# Altium PCB 400092.PcbDoc (part 2 of 3)
Units mil, origin at the board's own origin, x right, y up, seen from the top; angles counter-clockwise.
Board outline 4000 x 2500 mil, 4 copper layers (Top Layer, Mid-Layer 1, Mid-Layer 2, Bottom Layer), stack 62.293 mil thick; 191 components, 146 nets, 886 pads, 563 vias.
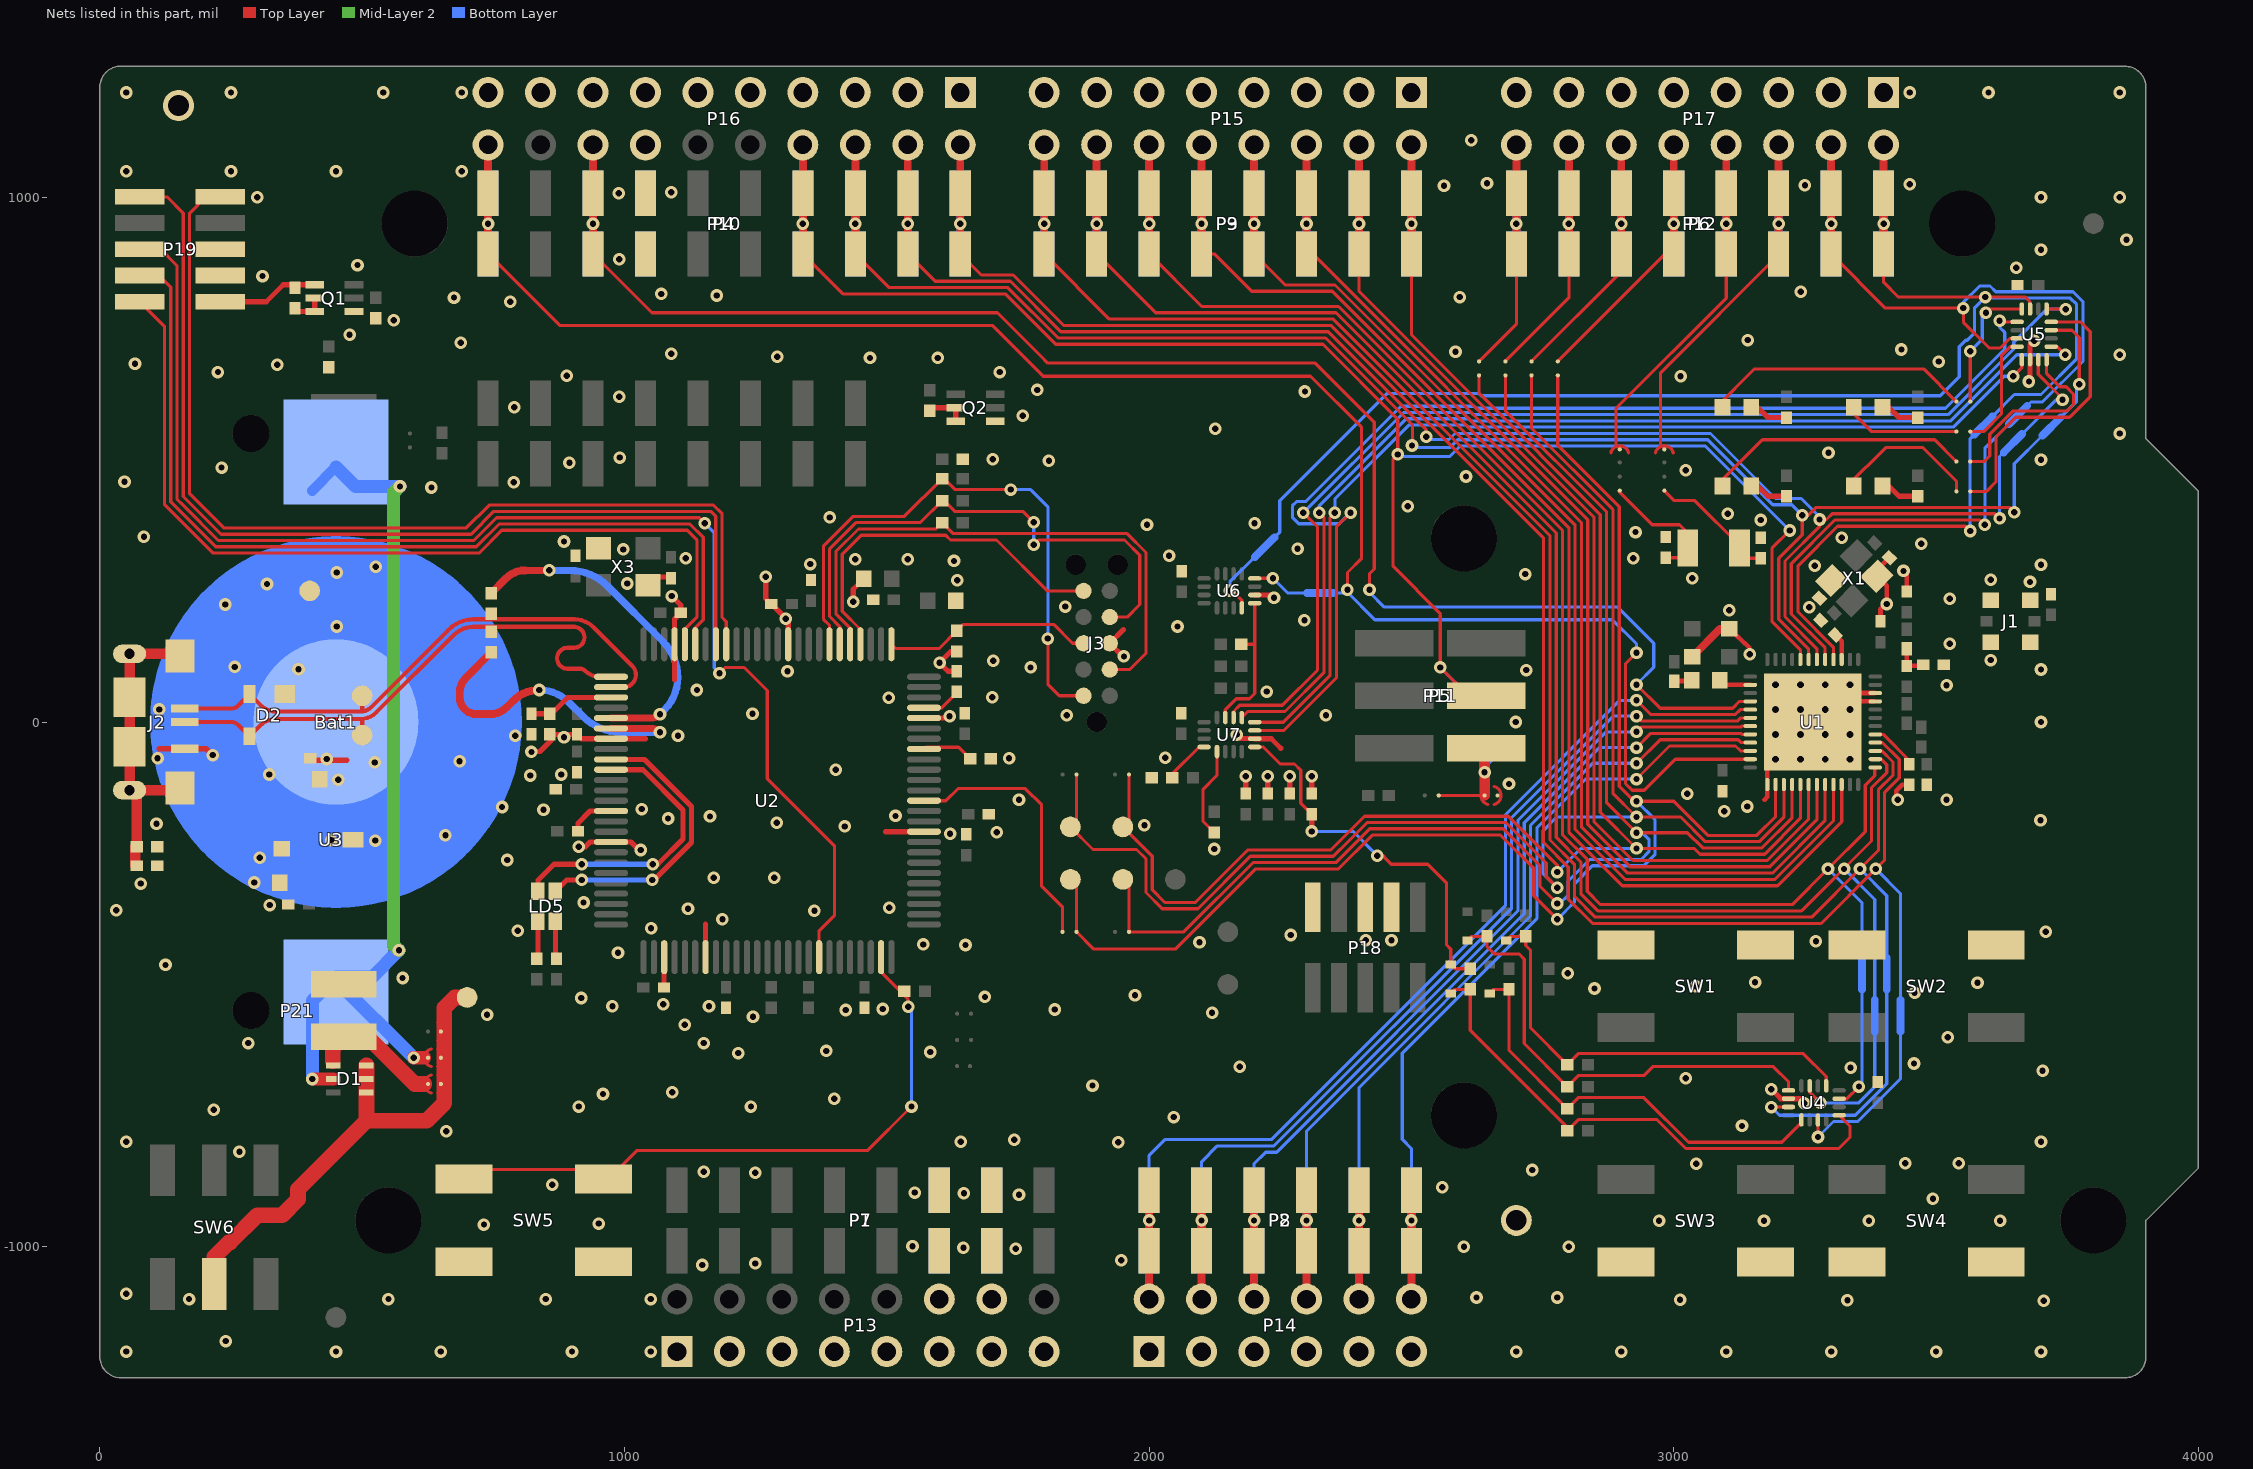
[diagram p4: the nets of this part, all layers, seen from the top]

## Via types
v1: diameter 24, hole 12, Top Layer to Bottom Layer, tented both sides, 525 vias
v2: diameter 24, hole 12, Top Layer to Bottom Layer, 22 vias
v3: diameter 25.98, hole 12.99, Top Layer to Bottom Layer, tented both sides, 16 vias

## Nets (pads, with @x,y where several pads share a name; then routed paths per layer and width w, separated by ;. In a path a pad name is that pad's centre, name@x,y a point inside that pad or via, vN(x,y) a via of type N, cw(c..) or ccw(c..) an arc to the next point about the centre after c; other vN are vias at no path point) (continued)
BUTTON4_EXT: C46.2 D6.3 R39.1 U7.5 | length 728.5
  Top Layer w6: U7.5@2201.23,-47.62 2217.62,-47.62 2250,-80 2277,-80 2289,-92 2289,-154.69 C46.2@2310,-175.69 ; v1(2435,-255) 2446,-255 2448,-257 2448,-257.7 2461.3,-271 2530.8,-271 2567,-307.2 2567,-424.97 2575,-432.97 D6.3@2575,-462.44 2582.87,-470.31 R39.1@2612,-470.31
  Top Layer w10: v1(2310,-208.51) C46.2@2310,-175.69
  Bottom Layer w6: v1(2310,-208.51) 2388.51,-208.51 v1(2435,-255)
CTS: SB22.1 U2.38 | length 505.2
  Top Layer w6: U2.38@1570.83,-150 1612.55,-150 1635.6,-126.95 1650,-126.95 1650.05,-127 1764.03,-127 1795,-157.97 1795,-313 1835,-353 SB22.1@1835,-400
DEC1: C8.1 U1.39 | length 53
  Top Layer w8: C8.1@3307.92,166.08 3320.12,153.88 U1.39@3320.12,118.11
DEC2: C10.1 U1.29 | length 93.4
  Top Layer w6: U1.29@3383.11,-23.62 3399.17,-23.62 3449,-73.45 C10.1@3449,-80.31
DFSD_N: R14.1 U2.80 | length 907.4
  Top Layer w13.78: 810,289 v1(856.61,289) ; U2.80@974.38,7.58 1048.61,7.58 ; 1050.33,7.58 ccw(c1050.33,32.02) v1@1067.61,14.74
  Top Layer w15: R14.1@746.01,245.62 774.82,274.43 ; 774.82,274.43 cw(c810,239.24) 810,289 ccw(c810,239.24) 774.82,274.43
  Bottom Layer w13.78: v1(856.61,289) 896.18,289 ; v1(1067.61,14.64) v1@1075.89,22.92 ; 896.18,289 cw(c896.18,189) 966.9,259.71 ; 896.18,289 cw(c896.18,189) 966.9,259.71 ; 966.89,259.71 1073.32,153.28 ; 1073.32,153.28 cw(c1005.04,85) 1101.61,85 ; 1073.32,153.28 cw(c1005.04,85) 1101.61,85 ; v1@1075.89,22.93 ccw(c1013.82,85) 1101.61,85 ; v1@1075.89,22.93 ccw(c1013.82,85) 1101.61,85
DFSD_P: R13.1 U2.81 | length 678.4
  Top Layer w13.78: U2.81@974.38,-12.21 1049.61,-12.21 ; 1050.33,-12.21 cw(c1050.33,-36.64) v1@1067.61,-19.36
  Top Layer w15: R13.1@746.01,132.71 697.81,84.51 ccw(c726.32,56) 686,56 686,47 ccw(c718,47) 718,15 743.64,15 ; v1(837.61,61) ccw(c837.61,-9.44) 787.8,40.37 775.71,28.29 ; 743.64,15 ccw(c743.64,60.36) 775.71,28.29 ; 743.64,15 ccw(c743.64,60.36) 775.71,28.29
  Bottom Layer w13.78: v1(837.61,61) cw(c837.61,-18.67) 893.94,37.67 921.68,9.93 ccw(c992.39,80.64) 992.39,-19.36 v1@1067.61,-19.36
  other v1: 1067.61,-19.26
DHSD_N: D2.2 J2.2 R14.2 TP2.1 U2.77 | length 1238.5
  Top Layer w8: J2.2@161.94,25.5 249.61,25.5 ccw(c249.61,45.5) 263.75,31.35 D2.2@284.82,52.43 ; D2.2@285.2,53.35 285.2,53.12 305.26,33.06 ccw(c336.68,64.47) 336.68,20.05 497.83,20.05 ccw(c497.83,46.66) 516.65,27.84 664.24,175.44 ; 500,22.22 TP2.1@500,50 ; 712.43,195.7 cw(c712.81,126.88) 712.81,195.7 ccw(c712.81,126.88) 664.14,175.54 cw(c712.81,126.88) 712.41,195.7 904.62,195.7 ; U2.77@974.38,66.53 U2.77@997.79,66.53 ; 904.62,195.7 cw(c904.62,144.32) 940.96,180.65 ; 904.62,195.7 cw(c904.62,144.32) 940.96,180.65 ; 940.96,180.65 1014.68,106.93 ; 1014.68,106.93 cw(c997.8,90.04) 997.8,66.17 ccw(c997.8,90.04) 1014.68,106.93
  Top Layer w13.78: D2.2@285.2,53.35 cw(c283.89,53.35) 284.82,52.43 ccw(c283.89,53.35) D2.2@285.2,53.35
DHSD_P: D2.3 J2.3 R13.2 TP1.1 U2.76 | length 1205.6
  Top Layer w8: J2.3@161.84,0 249.61,0 cw(c249.61,-20) 263.75,-5.86 D2.3@285.2,-27.35 ; D2.3@285.2,-27.11 305.26,-7.05 ; TP1.1@500,-25 500,3.57 ; 674.98,166.33 526.62,17.98 cw(c497.61,47) 497.61,5.96 336.67,5.96 ; 891.42,101.5 cw(c891.42,121.5) 891.42,141.5 ; 891.61,101.5 915.35,101.5 ; 891.81,141.5 903.62,141.5 ccw(c903.62,161.5) 903.62,181.5 ; 904.91,181.6 712.41,181.6 ; U2.76@974.38,86.22 U2.76@952.24,86.22 ; 305.26,-7.05 cw(c336.67,-38.47) 336.67,5.96 ; 305.26,-7.05 cw(c336.67,-38.47) 336.67,5.96 ; 712.41,181.6 ccw(c712.41,128.1) 674.57,165.93 cw(c712.41,128.1) 674.78,166.13 cw(c712.41,128.1) 712.41,181.6 ; 915.35,101.5 cw(c915.35,87.84) 925.01,97.5 ; 915.35,101.5 cw(c915.35,87.84) 925.01,97.5 ; 925.01,97.5 ccw(c952.24,124.73) U2.76@952.24,86.22 ; 925.01,97.5 ccw(c952.24,124.73) U2.76@952.24,86.22
  Top Layer w13.78: D2.3@285.2,-27.35 D2.3@285.2,-27.11
EXT_GND_DETECT: P19.9 U2.67 | length 1925.4
  Top Layer w6: P19.9@229.77,1001 202,1001 171,970 171,434.88 235.88,370 698.56,370 742,413.44 1169.56,413.44 1186,397 1186,366.95 1186,199.15 1193.87,191.28 U2.67@1193.87,148.23
EXT_RESET: P19.10 U2.68 | length 1946.3
  Top Layer w6: P19.10@76.23,1001 128,1001 159,970 159,429.91 230.91,358 707.65,358 751.09,401.44 1164.59,401.44 1174,392.03 1174,148.41 U2.68@1174.18,148.23
EXT_SWDCLK: P19.4 U2.70 | length 1766.1
  Top Layer w6: P19.4@76.23,851 113,851 135,829 135,419.97 220.97,334 717.59,334 761.03,377.44 1124.6,377.44 1150,352.04 1150,195.03 1134.81,179.84 U2.70@1134.81,148.23
EXT_SWDIO: P19.2 U2.71 | length 1692.8
  Top Layer w6: P19.2@76.23,801 123,754.23 123,415 216,322 722.56,322 766,365.44 1119.63,365.44 1138,347.07 1138,200 1115.13,177.13 U2.71@1115.13,148.23
EXT_SWO: P19.6 U2.18 | length 2574.3
  Top Layer w6: P19.6@76.23,901 116,901 147,870 147,424.94 158.94,413 225.94,346 712.62,346 756.06,389.44 1142.56,389.44 v1(1153,379) ; v1(1181,93) 1192,104 1228,104 1272,60 1272,-108 1400,-236 1400,-369 1371.03,-397.97 U2.18@1371.03,-448.23
  Bottom Layer w6: v1(1153,379) 1171,361 1171,103 v1(1181,93)
EXT_VTG: P19.1 Q1.4 R8.1 | length 193.3
  Top Layer w10: P19.1@229.77,801 317,801 349.59,833.59 Q1.4@409.6,833.59
GND: Bat1.2@449.91,0 C1.2 C2.2 C3.2 C4.2 C6.2 C7.2 C8.2 C9.2 C10.2 C11.2 C12.1 C13.2 C14.2 C15.2 C16.1 C17.1 C18.1 C19.1 C20.1 C21.1 C22.2 C23.2 C24.1 C25.1 C26.1 C27.1 C28.1 C29.1 C30.1 C31.1 C32.1 C33.1 C34.1 C35.1 C36.2 C37.1 C38.1 C39.1 C40.1 C41.1 C42.1 C43.1 C44.1 C45.1 C46.1 C47.2 C48.2 C49.1 D2.1 J1.2 J2.5 J3.3 P1.6 P1.7 P4.7 P7.6 P7.7 P10.7 P13.1 P13.3 P13.5 P13.7 P13.9 P13.11 P13.12 P13.13 P13.14 P13.15 P14.1 P14.3 P14.5 P14.7 P14.9 P14.11 P15.1 P15.3 P15.5 P15.7 P15.9 P15.11 P15.13 P15.15 P16.1 P16.3 P16.5 P16.7 P16.9 P16.11 P16.13 P16.14 P16.15 P16.17 P16.19 P17.1 P17.3 P17.5 P17.7 P17.9 P17.11 P17.13 P17.15 P18.3 P18.5 P18.9 P19.3 P19.5 P21.1 Q1.1 Q2.1 R7.2 R10.1 R11.1 R12.1 R17.1 R18.1 R24.2 R35.1 SB18.1 SW1.1 SW2.1 SW3.2 SW4.2 SW5.2 TP4.1 TP12.1 TP13.1 U1.13 U1.33 U1.34 U1.49 U2.3 U2.7 U2.35 U2.46 U2.61 U2.72 U2.82 U2.89 U2.92 U3.3 U4.6 U5.6 U6.6 U7.6 X1.2 X1.4 X3.2 X3.4 | length 2544.4
  Top Layer w9: C12.1@3034,124 C12.1@3034,131 ; C7.2@3106,177.58 3143.5,142.5 ; 3173.05,-148.19 3178.39,-142.85 U1.13@3178.39,-119.09 ; U1.13@3178.39,-118.11 3178.39,-86.61 U1.49@3265,0 ; U1.49@3304.37,39.37 U1.33@3383.11,39.37 ; U1.49@3320.12,55.12 U1.34@3383.11,55.12 ; C9.2@3394,191.69 3394,215 3404,225 v1(3406,225) ; v1@3407,225 v1(3406,225) ; C1.2@3410.92,313.08 3387.15,289.31 X1.4@3387.15,278.18 3406,259.33 v1(3406,225) ; v1@3424,-142 3424,-131.33 3435.65,-119.68 C10.2@3449,-119.68 ; C6.2@3444,248.69 v1@3444,284
  Top Layer w10: 112.82,-51.18 J2.5@161.84,-51.18 203.18,-51.18 v2(215,-63) ; C21.1@401.29,-69 401.29,-73 471.11,-73 ; v1@827.61,-56 838.61,-56 860.61,-34 860.61,-23.69 C38.1@909.61,-23.69 917.81,-31.89 U2.82@974.38,-31.89 1039.89,-31.89 ; C41.1@911.29,-208 911.29,-192.94 934.55,-169.69 U2.89@974.38,-169.69 ; 925,-238 934.26,-228.74 U2.92@974.38,-228.74 1012.41,-228.74 1027.67,-244 v1(1031,-244) ; X3.4@1044.61,276.31 C23.2@1088.61,276.31 ; C24.1@1075.29,-506 U2.3@1075.29,-448.69 ; v1(1090,240) 1107.29,222.71 C36.2@1107.29,208 1095.44,196.15 U2.72@1095.44,148.23 1095.44,80.44 ; U2.7@1154.5,-448.23 1154.5,-385.5 ; v1(1269,277) 1269,235.92 C35.1@1279.92,225 v1@1305.92,199 ; U2.61@1311.98,148.23 v1@1311.98,190.76 ; v1(1436,229) 1436,252.97 C33.1@1456.03,273 ; 1498.06,-209.06 U2.35@1570.83,-209.06 ; U2.46@1570.83,7.48 1616.09,7.48 v1(1619.61,11) ; C30.1@1633.61,96.68 1616.92,96.68 v1(1600.61,113) 1621.92,134.31 R24.2@1633.61,134.31 ; 1951,176 J3.3@1925,150 1950,125 v1(1952,125) ; v1(2167,-24) 2174.46,-31.46 2200.81,-31.46 U7.6@2201.23,-31.87 2232.87,-31.87 2251,-50 ; C49.1@2184,-136.32 v1(2184,-103.49) ; U6.6@2201.23,242.13 2232.87,242.13 v1(2238,237) ; C48.2@2226,-136.31 v1(2226,-103.17) ; C47.2@2268,-136.31 v1(2268,-103.49) ; C46.1@2310,-136.32 v1(2310,-103.49) ; v1(3186,-699.94) 3204.12,-718.07 U4.6@3218.77,-718.07 3240.12,-718.07 v1(3249,-726.94) ; v1(3677,649) 3679.13,651.13 U5.6@3679.13,690.77 3679.13,719.13 v1(3687,727)
  Top Layer w15: C12.1@3035,124.43 3088.15,177.58 C7.2@3106,177.58
  other v1: 50,-1200 450,-1200 650,-1200 900,-1200 1050,-1200 2700,-1200 2900,-1200 3100,-1200 3300,-1200 3500,-1200 3700,-1200 240,-1180 3705,-1103 3331,-1102 3012,-1101 170,-1100 550,-1100 850,-1100 1050,-1100 2624,-1097 2778,-1097 50,-1090 1148,-1035 1249,-1032 1947,-1026 1746,-1004 1646,-1002 2600,-1000 2800,-1000 1549,-999 732,-958 951,-956 2972,-950.94 3172,-950.94 3372,-950.94 3622,-950.94 3494,-908.94 1752,-901 1647,-898 1553,-897 2559,-887 862,-882 1249,-859 1151,-857 2730,-854 3043,-841.94 3441,-840.94 3543,-840.94 266,-819 1941,-801 50,-800 1641,-800 3700,-800 1743,-796 660,-780 3130,-769.94 2047,-753 217,-739 913,-733 1241,-733 1400,-718 959,-709 1091,-706 1892,-693 3023,-678.94 3703,-665 3337,-658.94 2173,-657 3458,-650.94 1217,-631 1583,-629 1384.61,-627 283,-612 1151,-612 3522,-600.94 1115,-577 1245,-562 738,-558 2120,-554 1422,-549 1820,-548 1492,-547 977,-542 1161,-542 1073.61,-538 917.61,-526 1687,-524 1973,-521 3459,-516 2849,-508 3042,-503.94 3579,-496.94 3155,-495.94 577,-488 2798,-479 125,-463 987.61,-440 1650,-425 1569.61,-424 2096,-420 3271,-417.94 2413,-416 2462,-416 2270,-406 3709,-400 796.61,-398 1050.61,-393 1186.61,-376 1362,-360 31,-359 1121,-356 1504.61,-354 324,-349 922,-344 78,-308 1170,-297 1285.61,-297 776.61,-263 2124,-242 912.61,-238 1620.61,-213 1709.61,-210 1419.61,-199 1991,-197 108,-194 1290,-192 3699,-187 1083,-184 1163,-180 1516.61,-179 3096,-170 845.61,-167 1032.61,-166 3140,-161 1752,-148 3427,-148 3520,-148 3026,-137 2686,-118 820.61,-102 879.61,-100 1402.61,-91 1733,-69 2031,-68 822.61,-57 884.61,-29 1102,-26 2699,0 3700,0 1843,13 2337,13 1244,16 1503.61,46 1701,47 2224,58 1138,61 3520,70 1310.61,97 2719,99 3700,100 1774,104 1703,117 3604,118 3145,129 3526,149 2054,182 2296,194 1307.61,197 3106,213 3258,219 1840,220 3526,235 1005,264 3679,267 1634,270 3604,271 3035,274 2717,282 3438,288 3269,298 3700,300 1354,301 1628,307 1439.61,310 1540,310 1117,312 2923,312 2038,317 997.61,329 2283,330 3472,340 884.61,344 3320,351 84,353 2927,362 1996,376 2201,379 3166,385 1391,390 3103,397 2493,411 632,447 789,457 47,458 2604,468 3023,480 232,485 895,494 1809,498 3700,500 1702,501 991,504 3295,513 3850,550 2126,559 1759,584 790,600 990,620 2297,630 1787,633 3013,659 890,660 225,667 1715,667 338,681 67,683 3505,687 1468,694 1597,694 1291,696 3850,700 1089,702 2584,706 3434,710 688,723 3141,728 476,738 560,766 782,801 675,809 2592,810 1176,813 1070,816 3242,820 310,850 3653,866 491,871 990,882 3700,900 3863,919 300,1000 3700,1000 3850,1000 989,1008 1089,1010 2562,1022 3250,1023 3450,1025 2644,1027 50,1050 250,1050 450,1050 690,1050 2614,1109 50,1200 250,1200 540,1200 690,1200 3450,1200 3600,1200 3850,1200
  other v2: 294,-306 305,-259 525,-226 441,-225 658.61,-216 766.61,-162 454.61,-110 322.61,-100 524,-77 685.61,-75 432.61,-70.5 110,-69 791.61,-26 113,24 378.61,100.5 257,105 451.61,182 239,224 318.61,263 451.61,285 526,296
  other v3: 3194.13,-70.87 3241.38,-70.87 3288.62,-70.87 3335.87,-70.87 3194.13,-23.62 3241.38,-23.62 3288.62,-23.62 3335.87,-23.62 3194.13,23.62 3241.38,23.62 3288.62,23.62 3335.87,23.62 3194.13,70.87 3241.38,70.87 3288.62,70.87 3335.87,70.87
IF_BOOT/RESET: R5.1 SW5.1 U2.24 | length 1191.4
  Top Layer w6: SW5.1@721.13,-853.26 986.87,-853.26 1023.13,-817 1463,-817 v1(1547,-733) ; U2.24@1489.14,-448.23 1489.14,-477.14 1540.64,-528.64 v1(1540.64,-542.97) v1@1540.64,-549.97
  Bottom Layer w6: v1(1540.64,-542.97) 1547,-549.33 v1(1547,-733)
IMCU_RESET: J3.10 R23.1 U2.57 | length 1110.5
  Top Layer w6: U2.57@1390.72,148.23 1390.72,184.42 1379,196.13 1379,334.91 1436.09,392 1533.31,392 R23.1@1605.31,464 1609.32,464 1630.32,443 v1(1736,443) ; v1(1807,159) 1807,72 1829,50 J3.10@1875,50
  Bottom Layer w6: v1(1736,443) 1774,443 1807,410 v1(1807,159)
IMCU_TCKS: J3.4 R22.1 U2.56 | length 1055.6
  Top Layer w6: U2.56@1410.4,148.23 1410.4,181.7 1391,201.1 1391,329.94 1441.06,380 1563.31,380 R22.1@1605.31,422 1609.32,422 1630.32,401 1760,401 v1(1780,381) ; v1(1780,338) 1789,347 1953.03,347 1982,318.03 1982,224 1958,200 J3.4@1925,200
  Bottom Layer w6: v1(1780,338) v1(1780,381)
IMCU_TDIS: J3.8 R24.1 U2.51 | length 403.5
  Top Layer w6: U2.51@1508.83,148.23 1517.05,140 1599.92,140 R24.1@1633.61,173.68 1645.92,186 1818,186 1854,150 J3.8@1875,150
IMCU_TDOS: J3.6 U2.54 | length 705
  Top Layer w6: U2.54@1449.77,148.23 1449.77,176.27 1415,211.04 1415,320 1451,356 1612.34,356 1621.34,347 1709,347 1806,250 J3.6@1875,250
IMCU_TMSS: J3.2 R21.1 U2.55 | length 1099.2
  Top Layer w6: U2.55@1430.09,148.23 1430.09,178.99 1403,206.07 1403,324.97 1446.03,368 1593.31,368 R21.1@1605.31,380 1626.31,359 1958,359 1994,323 1994,131 1963,100 J3.2@1925,100
INT_EXT: R27.1 U6.5 U7.11 | length 281.3
  Top Layer w6: U7.11@2145.13,8.48 2145.13,23.13 2166.35,44.35 2191.22,44.35 2201.23,54.35 2201.23,148 ; R27.1@2175.69,148.17 2201.06,148.17 2201.23,148 ; U6.5@2201.23,226.38 2201.23,148
LED1: SB5.1 U5.16 | length 253.1
  Top Layer w6: SB5.1@3565.25,610.6 v1(3565.25,706.75) ; v1(3595,780) 3602,787 3663.15,787 U5.16@3663.38,787.23
  Bottom Layer w6: v1(3565.25,706.75) 3588,729.5 3588,773 v1(3595,780)
LED1_EXT: U5.1 U7.7 | length 2247.8
  Top Layer w6: U7.7@2201.23,-16.13 2256.87,-16.13 2357,84 2357,372 v1(2384,399) ; v1(3621,765) 3623.38,762.62 U5.1@3654.52,762.62
  Bottom Layer w6: v1(2384,399) 2383.7,399 2362.7,378 2285.3,378 2273,390.3 2273,412 2281,420 2298.03,420 2480.03,602 2619.03,602 2623.03,598 3518.09,598 3631,710.91 3631,742.7 3621,752.7 v1(3621,765)
LED2: SB6.1 U5.4 | length 221.3
  Top Layer w6: SB6.1@3565.25,553.6 3590.6,553.6 3625,588 3625,699 3641.38,715.38 U5.4@3654.52,715.38
LED2_EXT: U5.5 U7.8 | length 1960.8
  Top Layer w6: U7.8@2201.23,-0.38 2255.65,-0.38 2345,88.97 2345,390 v1(2354,399) ; v1(3647,659) 3663.38,675.38 U5.5@3663.38,690.77
  Bottom Layer w6: v1(2354,399) 2354,425 2495,566 2604.12,566 2608.12,562 3533,562 3630,659 v1(3647,659) v1@3641,665
LED3: SB7.1 U5.8 | length 380
  Top Layer w6: SB7.1@3565.25,496.6 3592,496.6 3602.35,506.95 3602.35,548.38 3646.97,593 3749.7,593 3762,605.3 3762,625 3748,639 3735.67,639 3710.62,664.05 U5.8@3710.62,690.77
LED3_EXT: U5.9 U7.9 | length 2091.2
  Top Layer w6: U7.9@2176.62,8.48 2188.14,20 2259.06,20 2333,93.94 2333,390 v1(2324,399) ; U5.9@3719.48,715.38 3730.68,715.38 v1(3746.06,700)
  Bottom Layer w6: v1(2324,399) 2324,411.97 2490.03,578 2609.09,578 2613.09,574 3528.03,574 3654.03,700 v1(3746.06,700)
LED4: SB8.1 U5.12 | length 559.7
  Top Layer w6: SB8.1@3565.25,439.6 3596.3,439.6 3614.35,457.65 3614.35,543.41 3651.94,581 3754.67,581 3794,620.33 3794,744 3775.38,762.62 U5.12@3719.48,762.62
LED4_EXT: U5.13 U7.10 | length 2176.8
  Top Layer w6: U7.10@2160.87,8.48 2160.87,20.05 2172.82,32 2254.09,32 2321,98.91 2321,372 v1(2294,399) ; U5.13@3710.62,787.23 v1@3746.77,787.23
  Top Layer w8: v1@3746.77,787.23 v1(3747,787)
  Bottom Layer w6: v1(2294,399) 2485,590 2614.06,590 2618.06,586 3523.06,586 3648,710.94 3648,724 3711,787 v1(3747,787)
NetBat1_1: Bat1.1 D1.5 SB11.2 | length 1718.7
  Top Layer w25: v1(405,-680.41) D1.5@445.01,-680.41 ; v1(598,-640) 618.53,-640
  Mid-Layer 2 w25: v1(570,-435) 560,-425 560,437 v1(572,449)
  Bottom Layer w20: Bat1.1@404.68,441 Bat1.1@449.9,486.22
  Bottom Layer w25: v1(405,-680.41) 405,-531.12 449.9,-486.22 518.78,-486.22 v1(570,-435) ; Bat1.1@449.9,-491.9 v1(598,-640) ; Bat1.1@449.9,486.22 487.12,449 v1(572,449)
NetC4_1: C4.1 C5.2 L3.1 | length 66.6
  Top Layer w9: C5.2@3444,106.69 L3.1@3444,139.3 ; C5.2@3444.31,107 C4.1@3478.31,107
NetC13_1: C13.1 SB1.1 X2.1 | length 240.2
  Top Layer w6: SB1.1@2982,441 3001,422 3039.94,422 3125.24,336.71 X2.1@3125.24,331.87 3144.92,312.19 C13.1@3166.02,312.19
NetC14_1: C14.1 SB2.1 X2.2 | length 242.9
  Top Layer w6: SB2.1@2897,441 2897,438 2959,376 3011,376 3026.81,360.19 X2.2@3026.81,331.87 3008.13,313.19 C14.1@2985.02,313.19
NetC19_2: C19.2 J2.6@56.53,47.24 J2.6@56.53,129.92 J2.6@56.53,-47.24 J2.6@56.53,-129.92 J2.6@152.98,125.98 J2.6@152.98,-125.98 R12.2 | length 604.8
  Top Layer w20: C19.2@67.29,-273 R12.2@67.29,-238 ; R12.2@70.32,-238 70.32,-143.71 J2.6@56.53,-129.92 ; J2.6@152.98,-125.98 149.05,-129.92 J2.6@56.53,-129.92 ; J2.6@152.98,125.98 149.05,129.92 J2.6@56.53,129.92 J2.6@56.53,47.24 J2.6@56.53,-47.24 J2.6@56.53,-129.92
NetC30_2: C30.2 U2.47 | length 74.7
  Top Layer w6: U2.47@1570.83,27.16 1604.77,27.16 C30.2@1633.61,56
NetC37_2: C37.2 R17.2 U2.78 | length 161.7
  Top Layer w10: C37.2@825.61,15.68 860.61,15.68 891.77,46.85 U2.78@974.38,46.85
NetD1_1: D1.1 D1.2 D1.3 SB10.1 SB11.1 SB12.1 SW6.2 TP11.1 | length 961.6
  Top Layer w30: SW6.2@218,-1071.27 218,-1019.61 245.52,-992.09 247.91,-992.09 300,-940 347.43,-940 377.58,-909.85 377.58,-890.42 508,-760 ; D1.3@508,-654.82 D1.2@508,-680.41 D1.1@508,-706 508,-760 ; TP11.1@700,-525 676.2,-525 656.2,-545 656.2,-726.8 623,-760 508,-760
NetD1_4: D1.4 P21.2 SB12.2 | length 245.5
  Top Layer w30: 444,-646 444,-621 P21.2@465,-600 510,-600 600,-690 618.53,-690
NetD3_1: D3.1 R29.1 R36.2 U4.1 | length 855.8
  Top Layer w6: D3.1@2681,-416.56 2688.87,-408.69 R36.2@2718,-408.69 2718,-426.03 2727,-435.03 2727,-582.9 R29.1@2797.1,-653 2818.1,-632 ; 2817.79,-632 2818.1,-632 ; U4.1@3290.62,-693.46 3290.62,-675.6 3247.02,-632 2818.1,-632
NetD4_1: D4.1 R30.1 R37.2 U4.5 | length 884
  Top Layer w6: D4.1@2607,-416.56 2614.87,-408.69 R37.2@2644,-408.69 2644,-428.47 2657.53,-442 2705,-442 2715,-452 2715,-612.9 R30.1@2797.1,-695 2818.1,-674 ; 2817.79,-674 2818.1,-674 ; U4.5@3218.77,-702.32 3218.77,-685.83 3189.89,-656.94 2960,-656.94 2942.94,-674 2818.1,-674
NetD5_1: D5.1 R31.1 R38.2 U4.9 | length 824.7
  Top Layer w6: D5.1@2649,-517.56 2656.87,-509.68 R38.2@2686,-509.68 2686,-625.9 R31.1@2797.1,-737 2818.1,-716 ; 2817.79,-716 2818.1,-716 ; U4.9@3243.38,-758.42 3243.38,-763.56 3206,-800.94 3028,-800.94 2943.05,-716 2818.1,-716
NetD6_1: D6.1 R32.1 R39.2 U4.13 | length 1016
  Top Layer w6: D6.1@2575,-517.56 2582.87,-509.68 R39.2@2612,-509.68 2612,-587.45 2797.1,-772.56 R32.1@2797.1,-779 2818.1,-758 2968.08,-758 3023.03,-812.94 3314.55,-812.94 3336,-791.5 3336,-770.34 U4.13@3315.23,-749.56
NetL4_1: L4.1 U1.2 | length 61.8
  Top Layer w9: L4.1@3088,78 3095.13,70.87 U1.2@3146.89,70.87
NetL4_2: L4.2 L5.1 | length 31.7
  Top Layer w9: L5.1@3002.02,78.32 L4.2@3033.68,78.32
NetLD5_1: LD5.1 R20.1 | length 71.8
  Top Layer w10: R20.1@834.87,-451.32 LD5.1@834.87,-379.54
NetLD5_2: LD5.2 R19.1 | length 71.8
  Top Layer w10: R19.1@868.34,-451.32 LD5.2@868.34,-379.54
"NetLED 1_1": "LED 1.1" SB5.2 | length 513.7
  Top Layer w6: 3081,600 3154,673 3476.25,673 SB5.2@3538.65,610.6
"NetLED 1_2": "LED 1.2" R1.1 | length 63.4
  Top Layer w10: 3159.74,600 3179.43,580.31 R1.1@3215,580.31
"NetLED 2_1": "LED 2.1" SB6.2 | length 226.9
  Top Layer w6: 3331,600 3377.4,553.6 SB6.2@3538.65,553.6
"NetLED 2_2": "LED 2.2" R2.1 | length 63.4
  Top Layer w10: 3409.74,600 3429.43,580.31 R2.1@3465,580.31
"NetLED 3_1": "LED 3.1" SB7.2 | length 511.2
  Top Layer w6: 3081,450 3169,538 3497.25,538 SB7.2@3538.65,496.6
"NetLED 3_2": "LED 3.2" R3.1 | length 63.4
  Top Layer w10: 3159.74,450 3179.43,430.31 R3.1@3215,430.31
"NetLED 4_1": "LED 4.1" SB8.2 | length 284
  Top Layer w6: 3331,450 3404,523 3475,523 3538.65,459.35 SB8.2@3538.65,439.6
"NetLED 4_2": "LED 4.2" R4.1 | length 63.4
  Top Layer w10: 3409.74,450 3429.43,430.31 R4.1@3465,430.31
NetP5_6: P5.6 P11.6 SB18.2 SB19.1 | length 235.8
  Top Layer w6: SB19.1@2552,-140 2632.53,-140 SB18.2@2639.4,-140
  Top Layer w20: SB18.2@2639.37,-139.97 2639.37,-126.12 v1(2639.37,-96) 2639.37,-53.13 P5.6@2642.5,-50
  Bottom Layer w20: v1(2639.37,-96) 2639.37,-76.85 P11.6@2666.22,-50
NetQ1_5: Q1.5 Q1.6 R8.2 | length 65.6
  Top Layer w10: R8.2@372,788.31 377.91,782.41 Q1.6@409.6,782.41 Q1.5@409.6,808
NetQ2_5: Q2.5 Q2.6 R9.2 | length 77.5
  Top Layer w10: R9.2@1582,593.31 1587.69,599 Q2.5@1631.6,599 Q2.6@1631.6,573.41
NetR18_2: R18.2 U2.43 | length 98.7
  Top Layer w6: U2.43@1570.83,-51.58 1574.41,-48 1636.92,-48 R18.2@1658.92,-70
NetR28_1: R28.1 U7.1 | length 173.8
  Top Layer w6: R28.1@2124,-210.69 2103,-189.69 2103,-128 2129.38,-101.62 U7.1@2129.38,-56.48
NetR34_1: R34.1 R35.2 U7.16 | length 88.9
  Top Layer w6: R34.1@2044.32,-106 2044.32,-98.69 2095.38,-47.62 U7.16@2104.77,-47.62
OB_LED1: LD5.4 U2.84 | length 556.7
  Top Layer w10: LD5.4@868.34,-322.46 889.79,-301 v1(918.61,-301) ; U2.84@974.38,-71.26 1037.87,-71.26 1127.61,-161 1127.61,-229.53 1056.13,-301 v1(1052.61,-301)
  Bottom Layer w10: v1(918.61,-301) v1(1052.61,-301)
OB_LED2: LD5.3 U2.85 | length 554.4
  Top Layer w10: LD5.3@834.87,-322.46 834.87,-301.73 865.61,-271 v1(918.61,-271) ; U2.85@974.38,-90.95 1034.92,-90.95 1111.61,-167.63 1111.61,-222.9 1063.51,-271 v1(1053.61,-271)
  Bottom Layer w10: v1(918.61,-271) v1(1053.61,-271)
P0.00: P4.8 P10.8 P16.16 U1.4 | length 3189.5
  Top Layer w6: P4.8@940,892.32 1052.32,780 1710.94,780 1792,698.94 1806.94,684 2316.49,684 2429,571.49 2429,291.7 2420,282.7 v1(2420,252) ; v1(2929,71.25) 2974,26.25 3112.28,26.25 3125.4,39.37 U1.4@3145.91,39.37 U1.4@3146.89,39.37
  Top Layer w15: P4.8@940,892.32 v1(940,950) P4.8@940,1007.68 P16.16@940,1100
  Bottom Layer w6: v1(2420,252) 2420,247.33 2448.33,219 2892.94,219 2962,149.94 2962,104.55 2929,71.55 v1(2929,71.25)
  Bottom Layer w15: P10.8@940,892.32 v1(940,950) P10.8@940,1007.68
P0.01: P2.1 P8.1 P14.2 U1.5 | length 2011.8
  Top Layer w6: v1(2929,41.25) 2956,14.25 3117.25,14.25 3126.62,23.62 U1.5@3145.91,23.62 U1.5@3146.89,23.62
  Top Layer w15: P14.2@2000,-1100 P2.1@2000,-1007.68 v1(2000,-950) P2.1@2000,-892.32
  Bottom Layer w6: P8.1@2000,-892.32 2000,-826 2030,-796 2233,-796 2679,-350 2679,-177.15 2897.4,41.25 v1(2929,41.25)
  Bottom Layer w15: P8.1@2000,-1007.68 v1(2000,-950) P8.1@2000,-892.32
P0.02: P2.2 P8.2 P14.4 U1.6 | length 1883.3
  Top Layer w6: v1(2929,11.25) 2938,2.25 3122.25,2.25 3127.87,7.87 U1.6@3145.91,7.87 U1.6@3146.89,7.87
  Top Layer w15: P14.4@2100,-1100 P2.2@2100,-1007.68 v1(2100,-950) P2.2@2100,-892.32
  Bottom Layer w6: P8.2@2100,-892.32 2100,-838 2130,-808 2237.97,-808 2691,-354.97 2691,-182.12 2884.37,11.25 v1(2929,11.25)
  Bottom Layer w15: P8.2@2100,-1007.68 v1(2100,-950) P8.2@2100,-892.32
P0.03: P2.3 P8.3 P14.6 U1.7 | length 1767
  Top Layer w6: v1(2929,-18.75) 2938,-9.75 3127.88,-9.75 3129.75,-7.87 U1.7@3145.91,-7.87 U1.7@3146.89,-7.87
  Top Layer w15: P14.6@2200,-1100 P2.3@2200,-1007.68 v1(2200,-950) P2.3@2200,-892.32
  Bottom Layer w6: P8.3@2200,-892.32 2200,-842 2222,-820 2242.94,-820 2703,-359.94 2703,-187.09 2871.34,-18.75 v1(2929,-18.75)
  Bottom Layer w15: P8.3@2200,-1007.68 v1(2200,-950) P8.3@2200,-892.32
P0.04: P2.4 P8.4 P14.8 U1.8 | length 1698.4
  Top Layer w6: v1(2929,-48.75) 2956,-21.75 3127.88,-21.75 3129.75,-23.62 U1.8@3145.91,-23.62 U1.8@3146.89,-23.62
  Top Layer w15: P14.8@2300,-1100 P2.4@2300,-1007.68 v1(2300,-950) P2.4@2300,-892.32
  Bottom Layer w6: P8.4@2300,-892.32 2300,-779.91 2715,-364.91 2715,-192.06 2858.31,-48.75 v1(2929,-48.75)
  Bottom Layer w15: P8.4@2300,-1007.68 v1(2300,-950) P8.4@2300,-892.32
P0.05: P2.5 P8.5 P14.10 U1.9 | length 1643.6
  Top Layer w6: v1(2929,-78.75) 2974,-33.75 3122.72,-33.75 3128.34,-39.37 U1.9@3145.91,-39.37 U1.9@3146.89,-39.37
  Top Layer w15: P14.10@2400,-1100 P2.5@2400,-1007.68 v1(2400,-950) P2.5@2400,-892.32
  Bottom Layer w6: P8.5@2400,-892.32 2400,-696.88 2727,-369.88 2727,-197.03 2845.28,-78.75 v1(2929,-78.75)
  Bottom Layer w15: P8.5@2400,-1007.68 v1(2400,-950) P8.5@2400,-892.32
P0.06: P2.6 P8.6 P14.12 U1.10 | length 1602.4
  Top Layer w6: v1(2929,-108.75) 2992,-45.75 3117.75,-45.75 3127.12,-55.12 U1.10@3145.91,-55.12
  Top Layer w15: P14.12@2500,-1100 P2.6@2500,-1007.68 v1(2500,-950) P2.6@2500,-892.32
  Bottom Layer w6: P8.6@2500,-892.32 2500,-813.07 2482.43,-795.5 2482.43,-631.42 2739,-374.85 2739,-202 2832.25,-108.75 v1(2929,-108.75)
  Bottom Layer w15: P8.6@2500,-1007.68 v1(2500,-950) P8.6@2500,-892.32
P0.07: P4.10 P10.10 P16.20 U1.11 U6.8 | length 3776.9
  Top Layer w6: P4.10@740,892.32 876.32,756 1701,756 1798,659 2307.55,659 2405,561.55 2405,312.07 2378,285.07 v1(2378,252) ; U6.8@2201.23,273.62 2201.61,274 v1(2236,274) ; v1(2929,132) 2908,111 2908,-117.45 2920.55,-130 2944,-130 3003.13,-70.87 U1.11@3145.91,-70.87 U1.11@3146.89,-70.87
  Top Layer w15: P4.10@740,892.32 v1(740,950) P4.10@740,1007.68 P16.20@740,1100
  Bottom Layer w6: v1(2236,274) 2264,246 2301,246 ; 2351,246 2372,246 v1(2378,252) 2378,247.33 2430.33,195 2883,195 2929,149 v1(2929,132)
  Bottom Layer w15: P10.10@740,892.32 v1(740,950) P10.10@740,1007.68 ; 2301,246 2351,246
P0.08: SB13.2 SB22.2 TP5.1 U1.14 | length 2840.7
  Top Layer w6: TP5.1@1850,-300 1861.6,-311.6 SB22.2@1861.6,-400 1894.6,-433 2050,-433 2203,-280 2361,-280 2425.47,-215.53 2669.87,-215.53 2733,-278.66 2733,-331 v1(2778,-376) ; SB13.2@2778.96,660.72 2778.96,527.26 2896,410.22 2896,-122.42 2924.58,-151 v1(2929,-151) 3000,-151 3065,-216 3158.24,-216 3194.13,-180.1 U1.14@3194.13,-119.09
  Bottom Layer w6: v1(2778,-376) 2794.5,-359.5 2794.5,-359.2 2811,-342.7 2811,-307.97 2844.97,-274 2942.67,-274 2964.5,-252.17 2964.5,-186.5 v1(2929,-151)
P0.08_C: P6.5 P12.5 P17.10 SB13.1 | length 624.5
  Top Layer w6: SB13.1@2778.96,687.32 2991.64,900 P6.5@3000,900
  Top Layer w15: P6.5@3000,900 v1(3000,950) P6.5@3000,1007.68 P17.10@3000,1100
  Bottom Layer w15: P12.5@3000,892.32 v1(3000,950) P12.5@3000,1007.68
P0.09: SB14.2 SB23.2 TP6.1 U1.15 | length 2885.5
  Top Layer w6: SB23.2@1861.6,-100 1861.6,-188.4 TP6.1@1850,-200 1893,-243 1976.03,-243 1994,-260.97 1994,-325 2025,-356 2093.06,-356 2193.06,-256 2351.06,-256 2379.03,-228.03 2415.53,-191.53 2679.81,-191.53 2757,-268.72 2757,-295 v1(2778,-316) ; SB14.2@2728.96,660.72 2728.96,560.29 2884,405.25 2884,-136 v1(2929,-181) 3013.03,-181 3060.03,-228 3163.21,-228 3209.88,-181.32 U1.15@3209.88,-119.09
  Bottom Layer w6: v1(2778,-316) 2751,-289 2751,-206.97 2776.97,-181 v1(2929,-181)
P0.09_C: P6.6 P12.6 P17.12 SB14.1 | length 598.9
  Top Layer w6: SB14.1@2728.96,687.32 2900,858.36 P6.6@2900,892.32 P6.6@2900,904
  Top Layer w15: P6.6@2900,904 v1(2900,950) P6.6@2900,1007.68 P17.12@2900,1100
  Bottom Layer w15: P12.6@2900,892.32 v1(2900,950) P12.6@2900,1007.68
P0.10: SB15.2 SB24.2 TP7.1 U1.16 | length 2739.4
  Top Layer w6: TP7.1@1950,-300 1961.6,-311.6 SB24.2@1961.6,-400 2066.03,-400 2198.03,-268 2356.03,-268 2387.51,-236.51 2420.5,-203.53 2674.84,-203.53 2745,-273.69 2745,-313 v1(2778,-346) ; SB15.2@2678.96,660.72 2678.96,593.32 2872,400.28 2872,-154 v1(2929,-211) 3026.06,-211 3055.06,-240 3168.18,-240 3225.63,-182.55 U1.16@3225.63,-119.09
  Bottom Layer w6: v1(2778,-346) 2783,-346 2799,-330 2799,-303 2840,-262 2937.7,-262 2952.5,-247.2 2952.5,-223.5 2940,-211 v1(2929,-211)
P0.10_C: P6.7 P12.7 P17.14 SB15.1 | length 578.2
  Top Layer w6: SB15.1@2678.96,687.32 2800,808.36 P6.7@2800,892.32
  Top Layer w15: P6.7@2800,892.32 v1(2800,950) P6.7@2800,1007.68 P17.14@2800,1100
  Bottom Layer w15: P12.7@2800,892.32 v1(2800,950) P12.7@2800,1007.68
P0.11: SB16.2 SB25.2 TP8.1 U1.17 | length 2755.5
  Top Layer w6: SB25.2@1961.6,-100 1961.6,-188.4 TP8.1@1950,-200 2006,-256 2006,-320.03 2029.97,-344 2088.09,-344 2188.09,-244 2346.09,-244 2410.56,-179.53 2684.78,-179.53 2778,-272.75 v1(2778,-286) ; SB16.2@2628.96,660.72 2628.96,626.35 2860,395.31 2860,-172 v1(2929,-241) 3039.09,-241 3050.09,-252 3173.15,-252 3241.38,-183.77 U1.17@3241.38,-119.09
  Bottom Layer w6: v1(2778,-286) 2823,-241 v1(2929,-241)
P0.11_C: P6.8 P12.8 P17.16 SB16.1 | length 557.5
  Top Layer w6: SB16.1@2628.96,687.32 2700,758.36 P6.8@2700,892.32
  Top Layer w15: P6.8@2700,892.32 v1(2700,950) P6.8@2700,1007.68 P17.16@2700,1100
  Bottom Layer w15: P12.8@2700,892.32 v1(2700,950) P12.8@2700,1007.68
P0.12: P3.1 P9.1 P15.2 U1.18 | length 2087.9
  Top Layer w6: P3.1@2500,892.32 2500,738.25 2848,390.25 2848,-190.01 2921.99,-264 3178.12,-264 3257.13,-184.99 U1.18@3257.13,-119.09
  Top Layer w15: P3.1@2500,892.32 v1(2500,950) P3.1@2500,1007.68 P15.2@2500,1100
  Bottom Layer w15: P9.1@2500,892.32 v1(2500,950) P9.1@2500,1007.68
P0.13: P3.2 P9.2 P15.4 U1.19 | length 2165.7
  Top Layer w6: P3.2@2400,892.32 2400,821.28 2836,385.28 2836,-194.98 2917.02,-276 3183.09,-276 3272.87,-186.21 U1.19@3272.87,-119.09
  Top Layer w15: P3.2@2400,892.32 v1(2400,950) P3.2@2400,1007.68 P15.4@2400,1100
  Bottom Layer w15: P9.2@2400,892.32 v1(2400,950) P9.2@2400,1007.68
P0.14: P3.3 P9.3 P15.6 U1.20 | length 2250.5
  Top Layer w6: P3.3@2300,892.32 2311.99,892.32 2824,380.31 2824,-199.95 2912.05,-288 3188.06,-288 3189.06,-287 3288.62,-187.44 U1.20@3288.62,-119.09
  Top Layer w15: P3.3@2300,892.32 v1(2300,950) P3.3@2300,1007.68 P15.6@2300,1100
  Bottom Layer w15: P9.3@2300,892.32 v1(2300,950) P9.3@2300,1007.68
P0.15: P3.4 P9.4 P15.8 U1.21 | length 2376.9
  Top Layer w6: P3.4@2200,892.32 2259.32,833 2354.34,833 2812,375.34 2812,-204.92 2907.08,-300 3193.03,-300 3304.37,-188.66 U1.21@3304.37,-119.09
  Top Layer w15: P3.4@2200,892.32 v1(2200,950) P3.4@2200,1007.68 P15.8@2200,1100
  Bottom Layer w15: P9.4@2200,892.32 v1(2200,950) P9.4@2200,1007.68
P0.16: P3.5 P9.5 P15.10 U1.22 | length 2503.3
  Top Layer w6: P3.5@2100,892.32 2124.08,892.32 2195.41,821 2349.37,821 2800,370.37 2800,-209.9 2902.11,-312 3198,-312 3320.12,-189.88 U1.22@3320.12,-119.09
  Top Layer w15: P3.5@2100,892.32 v1(2100,950) P3.5@2100,1007.68 P15.10@2100,1100
  Bottom Layer w15: P9.5@2100,892.32 v1(2100,950) P9.5@2100,1007.68
P0.17: P3.6 P9.6 P15.12 U1.25 U4.15 | length 3261.4
  Top Layer w6: P3.6@2000,892.32 2100.32,792 2361.22,792 2788,365.22 2788,-214.87 2835,-261.87 2835,-322.7 2860.3,-348 3226,-348 v1(3294,-280) 3365,-209 3365,-120.33 3374.56,-110.78 3383.11,-102.22 U1.25@3383.11,-86.61 ; U4.15@3315.23,-718.07 3329.87,-718.07 v1(3353,-694.94)
  Top Layer w15: P3.6@2000,892.32 v1(2000,950) P3.6@2000,1007.68 P15.12@2000,1100
  Bottom Layer w6: v1(3294,-280) 3359,-345 3359,-450 ; v1@3358,-694.94 v1(3353,-694.94) 3359,-688.94 3359,-510
  Bottom Layer w15: P9.6@2000,892.32 v1(2000,950) P9.6@2000,1007.68 ; 3359,-510 3359,-450
P0.18: P3.7 P9.7 P15.14 U1.26 U4.3 | length 3530.9
  Top Layer w6: P3.7@1900,892.32 2012.32,780 2356.25,780 2776,360.25 2776,-219.84 2823,-266.84 2823,-327.67 2855.33,-360 3243.7,-360 3377,-226.7 3377,-125.3 3405.89,-96.41 3405.89,-81.26 3395.5,-70.87 U1.26@3384.09,-70.87 U1.26@3383.11,-70.87 ; U4.3@3259.12,-693.46 3259.12,-706.07 v1(3279,-725.94)
  Top Layer w15: P3.7@1900,892.32 v1(1900,950) P3.7@1900,1007.68 P15.14@1900,1100
  Bottom Layer w6: v1(3279,-725.94) 3352.58,-725.94 3383,-695.52 3383,-590 ; v1(3324.7,-280) 3383,-338.3 3383,-530
  Bottom Layer w15: P9.7@1900,892.32 v1(1900,950) P9.7@1900,1007.68 ; 3383,-590 3383,-530
P0.19: P3.8 P9.8 P15.16 U1.27 U4.7 | length 3803.4
  Top Layer w6: P3.8@1800,892.32 1924.32,768 2351.28,768 2764,355.28 2764,-224.81 2811,-271.81 2811,-332.64 2850.36,-372 3263,-372 v1(3355,-280) 3390,-245 3390,-129.27 3417.89,-101.38 3417.89,-76.28 3396.72,-55.12 U1.27@3384.09,-55.12 U1.27@3383.11,-55.12 ; v1(3186,-733.94) 3186.12,-733.82 U4.7@3218.77,-733.82
  Top Layer w15: P3.8@1800,892.32 P3.8@1800,1007.68 P15.16@1800,1100
  Bottom Layer w6: v1(3186,-733.94) 3201.62,-749.56 3345.93,-749.56 3406,-689.49 3406,-510 ; v1(3355,-280) 3406,-331 3406,-450
  Bottom Layer w15: P9.8@1800,892.32 v1(1800,950) P9.8@1800,1007.68 ; 3406,-510 3406,-450
P0.20: P4.1 P10.1 P16.2 U1.28 U4.11 | length 3957.8
  Top Layer w6: P4.1@1640,892.32 1680.32,852 1740.76,852 1836.76,756 2346.31,756 2752,350.31 2752,-229.78 2799,-276.78 2799,-337.61 2845.39,-384 3281,-384 v1(3385,-280) 3402,-263 3402,-186 3402,-134.24 3429.89,-106.35 3429.89,-71.31 3397.94,-39.37 U1.28@3384.09,-39.37 U1.28@3383.11,-39.37 ; U4.11@3274.87,-758.42 3274.87,-790.82 v1(3275,-790.94)
  Top Layer w15: P4.1@1640,892.32 v1(1640,950) P4.1@1640,1007.68 P16.2@1640,1100
  Bottom Layer w6: v1(3275,-790.94) 3304.38,-761.56 3350.9,-761.56 3432,-680.46 3432,-590 ; v1(3385,-280) 3432,-327 3432,-530
  Bottom Layer w15: P10.1@1640,892.32 v1(1640,950) P10.1@1640,1007.68 ; 3432,-590 3432,-530
P0.21: P6.1 P12.1 P17.2 U1.40 U5.15 U6.4 | length 3808.5
  Top Layer w6: v1(2154,250) 2159,250 2176.62,232.38 U6.4@2176.62,217.52 ; U1.40@3304.37,118.11 U1.40@3304.37,119.09 3304.37,142.42 3237,209.79 3237,298 3312,373 3556,373 v1(3565,364) ; P6.1@3400,892.32 3400,838 3428,810 v1(3594,810) 3670,810 3679.13,800.87 U5.15@3679.13,787.23
  Top Layer w15: P6.1@3400,892.32 v1(3400,950) P6.1@3400,1007.68 P17.2@3400,1100
  Bottom Layer w6: v1(2154,250) 2154,267 2201.5,314.5 ; 2239,352 2249,362 2249,421.94 2453.06,626 2628.97,626 2632.97,622 3508.15,622 3544.25,658.1 3544.25,715.45 3556.55,727.75 3559.75,727.75 3573,741 3573,789 v1(3594,810) 3596,808 3756,808 3768,796 3768,692.25 3700,624.25 3649.25,624.25 3607.85,582.85 ; v1(3565,364) 3565,540 3573,548
  Bottom Layer w15: 2201.5,314.5 2239,352 ; P12.1@3400,892.32 v1(3400,950) P12.1@3400,1007.68 ; 3573,548 3607.85,582.85
P0.22: P6.2 P12.2 P17.4 U1.41 U5.3 | length 2179.2
  Top Layer w6: U1.41@3288.62,119.09 3288.62,141.2 3224,205.82 3224,302 3307.02,385.02 3583.98,385.02 v1(3593,376) ; P6.2@3300,892.32 3403.32,789 v1(3552,789) 3552,762.3 3601.3,713 3622.03,713 3640.16,731.13 U5.3@3654.52,731.13
  Top Layer w15: P6.2@3300,892.32 v1(3300,950) P6.2@3300,1007.68 P17.4@3300,1100
  Bottom Layer w6: v1@3560,789 v1(3552,789) 3552,800 3583,831 3602.7,831 3613.7,820 3760.97,820 3780,800.97 3780,687.28 3702.72,610 3680.94,610 3673.85,602.91 ; v1(3593,376) 3593,522.06 3639,568.06
  Bottom Layer w15: P12.2@3300,892.32 v1(3300,950) P12.2@3300,1007.68 ; 3639,568.06 3673.85,602.91
P0.23: P4.2 P10.2 P16.4 U1.42 U5.7 | length 3341.2
  Top Layer w6: P4.2@1540,892.32 1592.32,840 1735.79,840 1831.79,744 2341.34,744 2528,557.34 v1(2528,544) ; U1.42@3272.87,118.11 U1.42@3272.87,119.09 3272.87,139.98 3214.85,198 3212,200.85 3212,306.97 3278,372.97 v1(3278,386) 3291.03,386 3302.05,397.02 3611.98,397.02 v1(3621,388) ; U5.7@3694.87,690.77 3694.87,662.82 3741,616.7 v1(3741,614)
  Top Layer w15: P4.2@1540,892.32 v1(1540,950) P4.2@1540,1007.68 P16.4@1540,1100
  Bottom Layer w6: v1(2528,544) 2533.51,538.49 2571.51,538.49 2583.03,550 3069.97,550 3193.97,426 3242.7,426 3278,390.7 v1(3278,386) ; v1(3621,388) 3621,506 3629,514 ; 3663.85,548.85 3729,614 v1(3741,614)
  Bottom Layer w15: P10.2@1540,892.32 v1(1540,950) P10.2@1540,1007.68 ; 3629,514 3663.85,548.85
P0.24: P4.3 P10.3 P16.6 U1.43 U5.11 | length 3547
  Top Layer w6: P4.3@1440,892.32 1504.32,828 1730.82,828 1826.82,732 2336.37,732 2502,566.37 2502,528 v1(2501,527) ; U1.43@3257.13,119.09 3257.13,138.76 3200,195.88 3200,311.94 3245,356.94 v1(3245,394) 3256.3,394 3271.32,409.02 3639.98,409.02 v1(3649,400) ; U5.11@3719.48,746.87 3759.13,746.87 3773,733 v1(3773,644)
  Top Layer w15: P4.3@1440,892.32 v1(1440,950) P4.3@1440,1007.68 P16.6@1440,1100
  Bottom Layer w6: v1(2501,527) 2502,528 2507,523 2573,523 2588,538 3065,538 3189,414 3225,414 v1(3245,394) ; v1(3649,400) 3649,492.3 3702.85,546.15 ; 3737.7,581 3768,611.3 3768,639 v1(3773,644)
  Bottom Layer w15: P10.3@1440,892.32 v1(1440,950) P10.3@1440,1007.68 ; 3702.85,546.15 3737.7,581
P0.25: P4.4 P5.4 P10.4 P11.4 P16.8 U1.44 | length 3448.9
  Top Layer w6: P4.4@1340,892.32 1416.32,816 1725.85,816 1821.85,720 2331.4,720 2474,577.4 v1(2474,510) 2465,501 2465,296.67 2555,206.67 ; 2555,202.67 v1(2555,104) 2609,50 P5.4@2642.5,50 ; v1(3221,365) 3187,331 3187,191.91 3241.38,137.53 U1.44@3241.38,119.09
  Top Layer w15: P4.4@1340,892.32 v1(1340,950) P4.4@1340,1007.68 P16.8@1340,1100
  Bottom Layer w6: v1@2473,511 v1(2474,510) 2478,506 2572.97,506 2592.97,526 3060,526 v1(3221,365) ; v1(2555,104) 2609,50 P11.4@2666.22,50
  Bottom Layer w15: P10.4@1340,892.32 v1(1340,950) P10.4@1340,1007.68
P0.26: P6.3 P12.3 P17.6 SB3.2 | length 789
  Top Layer w6: 2975,526.47 2975,666.03 3200,891.03 P6.3@3200,892.32 P6.3@3200,902 ; SB3.2@2982,519.6 2982,526.47
  Top Layer w15: P6.3@3200,902 v1(3200,950) P6.3@3200,1007.68 P17.6@3200,1100
  Bottom Layer w15: P12.3@3200,892.32 v1(3200,950) P12.3@3200,1007.68
P0.27: P6.4 P12.4 P17.8 SB4.2 | length 782.7
  Top Layer w6: 2890,526.47 2890,598 3100,808 P6.4@3100,892.32 ; SB4.2@2897,519.6 2897,526.47
  Top Layer w15: P6.4@3100,892.32 v1(3100,950) P6.4@3100,1007.68 P17.8@3100,1100
  Bottom Layer w15: P12.4@3100,892.32 v1(3100,950) P12.4@3100,1007.68